# Altium PCB PCB_Kasli.PCBDOC (part 12 of 16)
Units mm, origin at the board's own origin, x right, y up, seen from the top; angles counter-clockwise.
Board outline 200.3 x 100 mm, 6 copper layers (TopLayer, MidLayer1, MidLayer2, SignalLayer1, Internal Plane 1, BottomLayer), stack 1.528 mm thick; 775 components, 636 nets, 3136 pads, 1724 vias.
Unrouted connection lines stored in the file: 7.
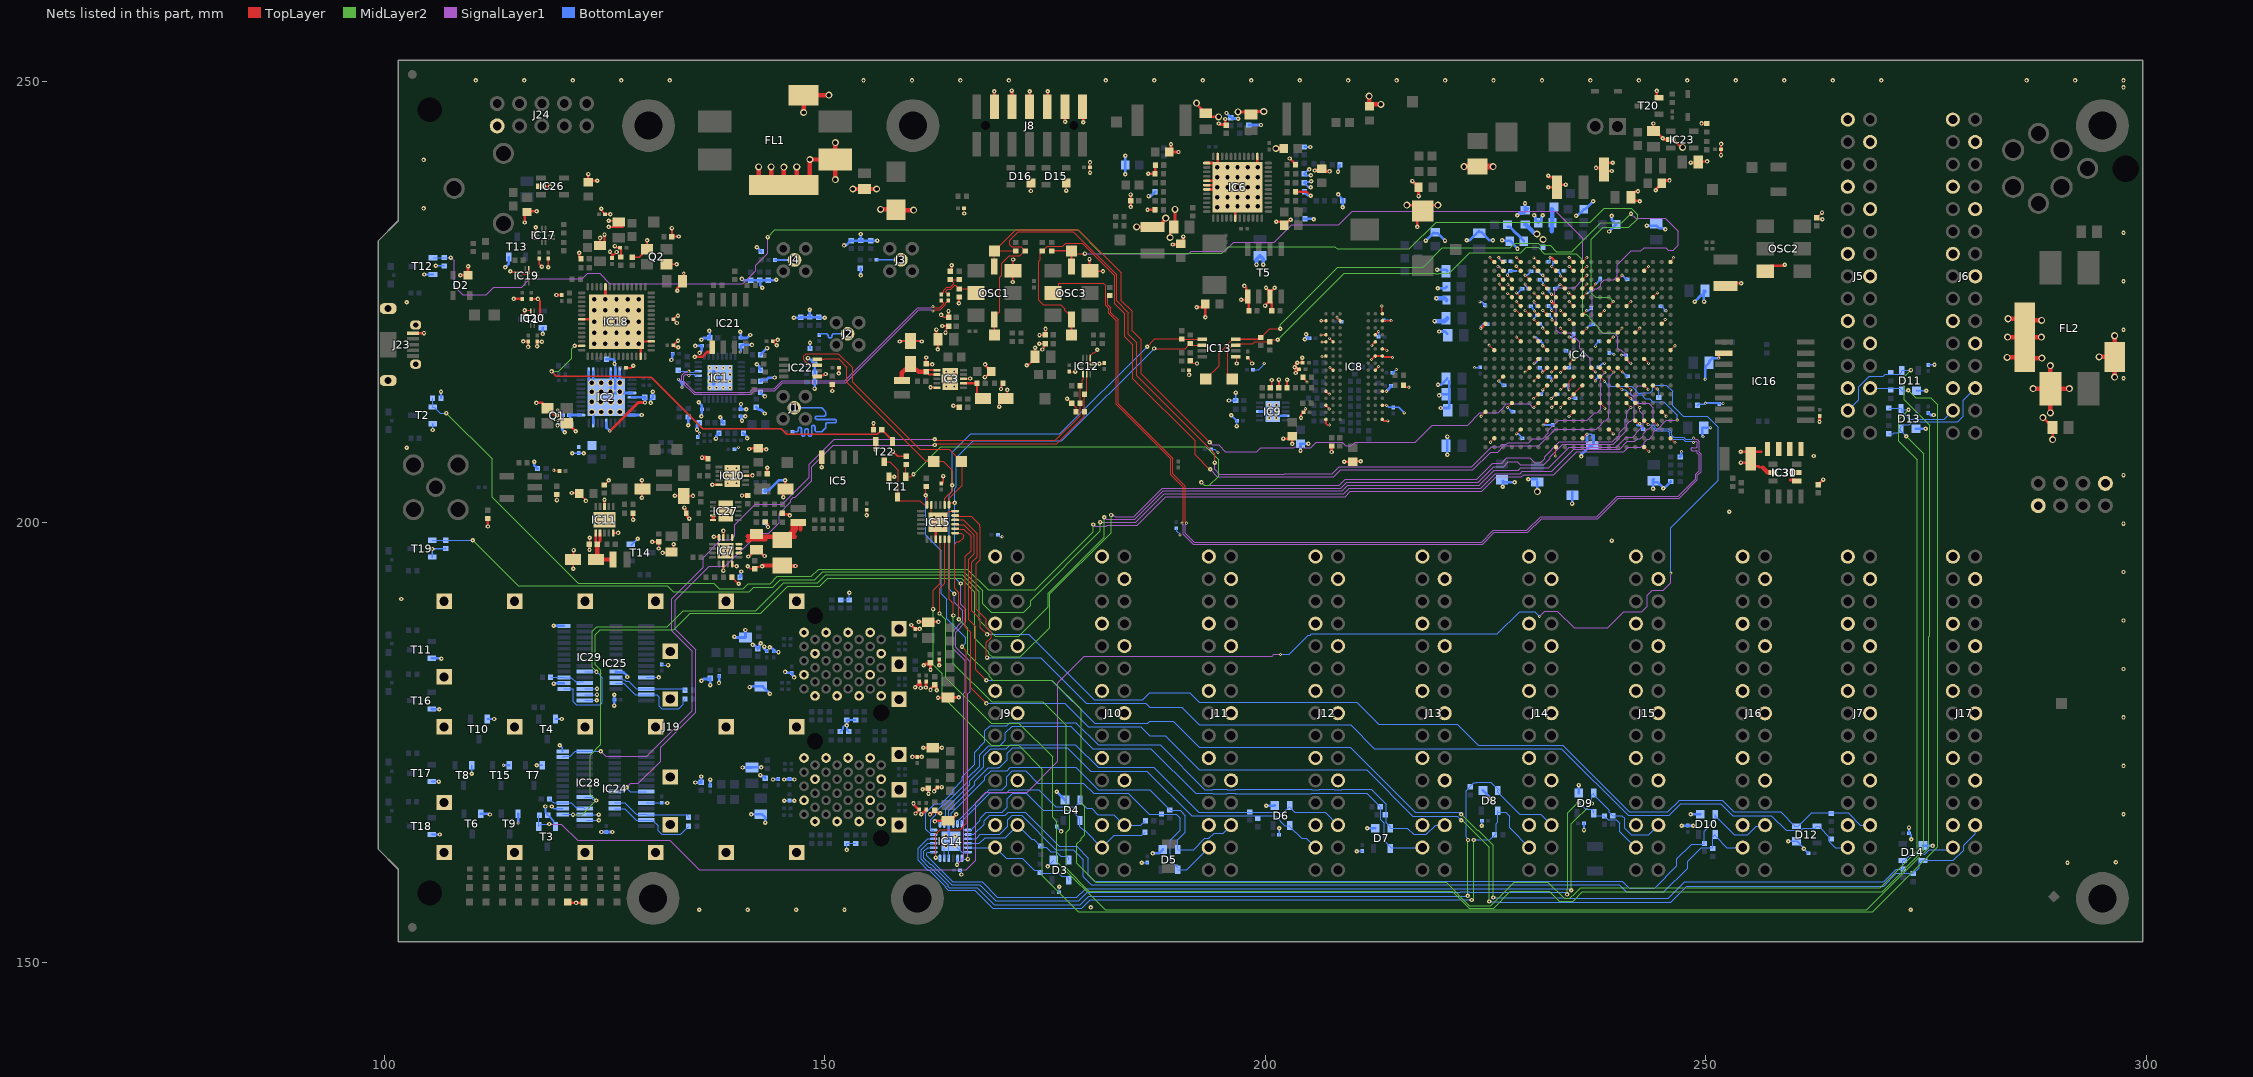
[diagram p16: the nets of this part, all layers, seen from the top]

## Via types
v1: diameter 0.5, hole 0.2, TopLayer to BottomLayer, tented both sides, 845 vias
v2: diameter 0.35, hole 0.15, TopLayer to BottomLayer, tented both sides, 612 vias
v3: diameter 0.8, hole 0.5, TopLayer to BottomLayer, tented both sides, 144 vias
v4: diameter 0.8, hole 0.5, TopLayer to BottomLayer, 66 vias
v5: diameter 0.5, hole 0.2, TopLayer to BottomLayer, 57 vias

## Nets (pads, with @x,y where several pads share a name; then routed paths per layer and width w, separated by ;. In a path a pad name is that pad's centre, name@x,y a point inside that pad or via, vN(x,y) a via of type N, cw(c..) or ccw(c..) an arc to the next point about the centre after c; other vN are vias at no path point) (continued)
GND: (continued)
  BottomLayer w0.35: v1(228.586,234.836) 228.627,234.836 228.79,235 229.2,235 C57.1@229.8,235.6 ; v1(229.475,236.175) 229.475,235.4 C57.1@229.5,235.375
  BottomLayer w0.4: v1(199,229.225) 199,229.83 C131.1@199.4,230.23 ; C131.1@199.39,230.24 C131.1@199.4,230.23 ; v1(199.775,229.225) 199.775,229.855 C131.1@199.4,230.23
  BottomLayer w0.5: v1(219.209,222.814) 220.303,222.814 220.317,222.8 C82.1@220.665,223.148 ; v1(219.419,225.4) 220.369,225.4 C240.1@220.569,225.2
  other v1: 135.747,156 141.247,156 146.747,156 152.247,156 273.247,156 180.2,156.275 291.041,161.346 296.541,161.4 297.4,166.833 297.4,172.333 297.4,177.833 162,183.25 297.4,183.333 163,183.75 297.4,188.833 101.95,191.275 297.4,194.333 239.319,197.9 143.559,199.445 297.4,199.833 252.644,201.175 141.8,205.3 297.4,205.333 262.25,207.5 141.425,208.3 102.55,208.451 119.633,212.117 297.4,216.333 297.4,221.833 102.55,224.951 297.4,227.333 154.1,228 297.4,232.833 245.406,233.236 104.475,235.603 237.2,236.4 184.125,239.475 104.475,241.103 184.125,241.575 194.71,245.237 249.5,245.25 297.4,249.333 110.4,250.125 115.9,250.125 121.4,250.125 126.9,250.125 132.4,250.125 154.4,250.125 159.9,250.125 165.4,250.125 170.9,250.125 181.9,250.125 187.4,250.125 192.9,250.125 198.4,250.125 203.9,250.125 209.4,250.125 214.9,250.125 220.4,250.125 225.9,250.125 231.4,250.125 236.9,250.125 242.4,250.125 247.9,250.125 253.4,250.125 258.9,250.125 264.4,250.125 269.9,250.125 286.4,250.125 291.9,250.125 297.4,250.125
  other v2: 119.708,211.525 233.506,216.976 214.879,217.31 238.491,218.015 251.475,218.6 234.519,218.95 234.441,226.015 226.591,227.015 226.391,229.015
  other v4: 123.571,212.498 124.629,212.498 125.688,212.498 126.746,212.498 123.571,213.641 124.587,213.641 125.73,213.641 126.746,213.641 123.571,214.784 124.629,214.784 125.688,214.784 126.746,214.784 123.571,215.8 124.629,215.8 125.688,215.8 126.746,215.8 123.825,220.218 125.095,220.218 126.365,220.218 127.635,220.218 128.905,220.218 123.825,221.488 125.095,221.488 126.365,221.488 127.635,221.488 128.905,221.488 123.825,222.758 125.095,222.758 126.365,222.758 127.635,222.758 128.905,222.758 123.825,224.028 125.095,224.028 126.365,224.028 127.635,224.028 128.905,224.028 123.825,225.298 125.095,225.298 126.365,225.298 127.635,225.298 128.905,225.298 194.564,235.712 195.707,235.839 196.85,235.839 197.993,235.839 199.136,235.839 194.564,236.855 195.707,236.855 196.85,236.855 197.993,236.855 199.136,236.855 194.564,237.998 195.707,237.998 197.993,237.998 199.136,237.998 194.564,239.141 195.707,239.141 196.85,239.141 197.993,239.141 199.136,239.141 194.564,240.284 195.707,240.284 196.85,240.284 197.993,240.284 199.136,240.284
  other v5: 163.75,163.25 164.8,163.275 163.75,164.4 164.8,164.4 138.2,196.2 139.3,196.2 138.75,196.75 138.2,197.3 139.3,197.3 162.4,199.475 163.375,199.5 124.15,199.8 124.95,199.8 125.85,199.8 162.4,200.575 163.375,200.575 124.15,200.7 124.95,200.7 125.85,200.7 138.25,200.75 139.25,200.75 138.25,201.75 139.25,201.75 139,204.4 140,204.4 139,205.2 140,205.2 139,206.1 140,206.1 200.444,211.8 201.244,211.8 201.244,212.55 200.444,213.3 201.269,213.3 136.957,215.235 137.719,215.235 138.481,215.235 139.243,215.235 163.8,215.4 164.7,215.4 136.957,215.997 138.481,215.997 139.243,215.997 163.8,216.3 164.7,216.3 136.957,216.759 138.481,216.759 139.243,216.759 163.8,217.1 164.7,217.1 136.957,217.521 137.719,217.521 138.481,217.521 139.243,217.521
GPIO_INT0: IC4.U18 IC25.20 IC29.1 | length 158.1
  TopLayer w0.125: IC4.U18@241.991,213.515 v2(242.491,213.015)
  MidLayer2 w0.1: v1(124.1,183) 123.6,183.5 123.6,187.625 124.1,188.125 132.125,188.125 133.963,189.963 133.995,189.93 142.18,189.93 145.35,193.1 149.2,193.1 150.125,194.025 165.6,194.025 167.525,192.1 167.525,188.874 169.371,187.028 172.001,187.028 175.374,190.401 175.374,191.927 181.725,198.278 v1(181.725,200.55)
  SignalLayer1 w0.1: v1(181.725,200.55) 181.975,200.3 185.181,200.3 188.421,203.54 208.725,203.54 209.362,204.177 224.297,204.177 225.995,205.875 228.7,205.875 228.99,206.165 232.159,206.165 234.494,208.5 239.81,208.5 240.954,209.644 241.323,209.644
  SignalLayer1 w0.125: 241.323,209.644 241.71,209.644 242.11,210.044 242.11,210.151 242.885,210.926 242.885,212.17 242.491,212.563 v2(242.491,213.015)
  BottomLayer w0.1: IC25.20@122.75,183.025 122.775,183 v1(124.1,183)
  BottomLayer w0.125: IC29.1@120.4,181.075 121.377,181.075 121.45,181.002 121.45,179.6 121.775,179.275 124.5,179.275 124.75,179.525 124.75,182.35 v1(124.1,183)
GPIO_INT1: IC4.R17 IC24.20 IC28.1 | length 172.9
  TopLayer w0.125: IC4.R17@240.991,215.515 v2(241.491,215.015)
  MidLayer2 w0.1: v1(124.081,168.408) 123.375,169.114 123.375,173.55 124.6,174.775 124.6,182.794 124.575,182.819 124.575,183.161 123.95,183.786 123.95,187.227 124.498,187.775 132.85,187.775 134.725,189.65 142.725,189.65 145.775,192.7 149.45,192.7 150.35,193.6 165.5,193.6 167.05,192.05 167.05,186.809 168.611,185.248 168.611,185.075 168.986,184.7 172.213,184.7 175.55,188.037 175.55,191.854 182.5,198.804 v1(182.5,200.8)
  MidLayer2 w0.125: v1(121.425,166.8) 122.473,166.8 v1(124.081,168.408)
  SignalLayer1 w0.1: v1(182.5,200.8) 182.577,200.723 182.852,200.723 182.95,200.625 185.046,200.625 188.286,203.865 208.555,203.865 209.217,204.527 224.152,204.527 225.9,206.275 227.05,206.275 227.597,206.822 228.603,206.822 228.925,206.5 231.575,206.5 232.335,207.26 232.335,207.42 233.74,208.825 239.467,208.825 241.048,210.406 241.048,211.101 241.368,211.422 241.421,211.422
  SignalLayer1 w0.125: 241.421,211.422 241.491,211.422 241.879,211.81 241.879,214.175 241.491,214.563 v2(241.491,215.015)
  BottomLayer w0.1: IC24.20@122.75,168.775 123.45,168.775 123.74,168.485 124.005,168.485 v1(124.081,168.408)
  BottomLayer w0.125: IC28.1@120.275,166.825 121.4,166.825 v1(121.425,166.8)
GPIO_RESET0: IC25.18 IC29.3 R132.2 | length 3.9
  BottomLayer w0.125: R132.2@118.895,182.375 IC29.3@120.4,182.375 120.439,182.336 121.239,182.336 121.717,181.858 IC25.18@122.617,181.858
GPIO_RESET1: IC24.18 IC28.3 R131.2 | length 4.4
  BottomLayer w0.1: R131.2@118.77,168.575 118.77,168.555 119.01,168.315 119.03,168.315 119.22,168.125 IC28.3@120.275,168.125 121.225,168.125 121.734,167.616 122.609,167.616 IC24.18@122.75,167.475
GPIO_SCL0: IC25.12 IC29.22 R229.2 | length 8
  BottomLayer w0.125: IC29.22@126.8,182.375 126.962,182.213 126.962,182.175 127.036,182.101 127.265,182.101 127.406,181.96 127.74,181.96 128.625,181.075 IC25.12@129.75,181.075 134.005,181.075 R229.2@134.155,180.925
GPIO_SCL1: IC24.12 IC28.22 R228.2 | length 9.1
  BottomLayer w0.125: IC28.22@126.175,168.125 127.325,168.125 128.625,166.825 IC24.12@129.75,166.825 129.812,166.763 134.318,166.763 134.56,166.52 R228.2@134.56,166.5
GPIO_SDA0: IC25.13 IC29.23 R233.2 | length 10.3
  BottomLayer w0.125: IC29.23@126.3,181.725 127.2,181.725 128.5,180.425 IC25.13@129.75,180.425 129.774,180.401 130.956,180.401 131.236,180.121 131.236,179.118 131.517,178.837 133.443,178.837 133.927,179.322 133.927,179.698 R233.2@134.155,179.925 R233.2@134.155,179.945
GPIO_SDA1: IC24.13 IC28.23 R232.2 | length 10.3
  BottomLayer w0.125: IC28.23@126.175,167.475 127.325,167.475 128.625,166.175 IC24.13@129.75,166.175 130.45,166.175 130.724,165.901 130.738,165.901 131.127,165.512 131.127,164.977 131.517,164.587 133.668,164.587 134.56,165.479 R232.2@134.56,165.499
Helper_DCXO_N: IC4.W20 OSC3.5 | length 112.8
  TopLayer w0.095: OSC3.5@175.9,225.975 176.533,226.608 176.533,227.079 176.588,227.135 176.964,227.135 177.056,227.135 181.615,227.135 181.875,226.875 181.875,224.6 182.25,224.225 182.25,223.689 183.075,222.864 183.075,213.364 189.257,207.182 189.257,205.393 190.69,203.96 190.69,200.058 190.55,199.918 v2(190.55,199.875) ; IC4.W20@243.991,211.515 v2(244.491,211.015)
  SignalLayer1 w0.1: v2(190.55,199.875) 190.55,199.831 190.69,199.691 190.69,198.649 191.834,197.505 224.655,197.505 225.98,198.83 229.78,198.83 231.355,200.405 237.705,200.405 240.03,202.73 246.971,202.73 249.05,204.809 249.05,205.314 249.475,205.739 249.475,207.72 249.27,207.925 249.27,209.133 249.011,209.392 248.784,209.392 248.644,209.532 v2(248.6,209.532)
  BottomLayer w0.095: v2(244.491,211.015) 244.461,211.045 244.136,211.045 244.081,210.989 244.081,210.911 244.384,210.607 245.737,210.607 246.119,210.225 246.119,209.861 246.355,209.625 247.5,209.625 247.733,209.392 248.417,209.392 248.557,209.532 v2(248.6,209.532)
Helper_DCXO_OE: IC12.9 IC24.8 IC28.20 R245.1 R247.2 | length 91.7
  TopLayer w0.125: v1(162.475,208.749) 162.599,208.874 176.341,208.874 179.47,212.002 R247.2@179.47,212.5 R245.1@179.47,214.5 179.47,214.52 179.725,214.775 IC12.9@179.725,216.8
  SignalLayer1 w0.125: v1(127.525,169.9) 127.975,170.35 128.85,170.35 131.384,172.884 131.384,174.441 135.376,178.434 135.376,185.524 133.05,187.85 133.05,191.125 136.887,194.963 138.717,194.963 142.504,198.75 143.65,198.75 144.825,199.925 144.825,200.975 146.138,202.287 146.138,202.542 146.408,202.813 146.663,202.813 148.525,204.675 148.525,206.3 150.974,208.749 v1(162.475,208.749)
  BottomLayer w0.125: IC28.20@126.175,169.425 127.05,169.425 v1(127.525,169.9) 127.525,169.8 127.9,169.425 IC24.8@129.75,169.425
Helper_DCXO_P: IC4.W19 R225.2 | length 105.3
  TopLayer w0.095: R225.2@182.35,225.705 182.338,225.705 182.095,225.463 182.095,224.691 182.47,224.316 182.47,223.78 183.295,222.955 183.295,213.455 189.477,207.273 189.477,205.484 190.91,204.051 190.91,200.058 191.05,199.918 v2(191.05,199.875) ; IC4.W19@242.991,211.515 243.001,211.515 243.441,211.075 v2(243.45,211.075)
  SignalLayer1 w0.1: v2(191.05,199.875) 191.05,199.831 190.91,199.691 190.91,198.74 191.925,197.725 224.564,197.725 225.889,199.05 229.689,199.05 231.264,200.625 237.614,200.625 239.939,202.95 246.88,202.95 248.83,204.9 248.83,205.405 249.255,205.83 249.255,207.629 249.05,207.834 249.05,207.925 ccw(c248.873,207.925) 248.873,208.102 248.485,208.102 cw(c248.485,208.279) 248.308,208.279 cw(c248.485,208.279) 248.485,208.456 248.873,208.456 ccw(c248.873,208.633) 249.05,208.633 249.05,208.81 249.05,209.042 248.92,209.172 248.784,209.172 248.644,209.032 v2(248.6,209.032)
  BottomLayer w0.095: v2(243.45,211.075) 243.775,211.075 243.861,210.989 243.861,210.82 244.293,210.387 245.646,210.387 245.899,210.134 245.899,209.77 246.264,209.405 247.409,209.405 247.641,209.172 248.417,209.172 248.557,209.032 v2(248.6,209.032)
Helper_DCXO_SCL: IC4.N13 OSC3.8 R50.1 TP24.1 | length 86.6
  TopLayer w0.1: TP24.1@178,230.75 178.275,230.475 v1(179.525,230.475)
  TopLayer w0.125: IC4.N13@236.991,217.515 237.456,217.05 v2(237.494,217.05)
  TopLayer w0.2: R50.1@175.75,230.78 175.775,230.805 177.945,230.805 TP24.1@178,230.75 OSC3.8@178,228.827
  SignalLayer1 w0.1: v1(179.525,230.475) 191.324,230.475 191.599,230.75 195.39,230.75 196.415,231.775 201,231.775 202.975,233.75 208.358,233.75 209.894,235.286 232.978,235.286 236.048,232.217 236.048,228.791 236.051,228.788 236.051,228.107 236.048,228.104 236.048,227.553 235.105,226.611 233.18,226.611 232.871,226.302 232.871,224.34 233.038,224.173 233.038,221.787 233.35,221.475 234.607,221.475 235.676,220.406 235.676,219.756 236.901,218.531 236.901,217.506 v2@237.426,216.981
Helper_DCXO_SDA: IC4.N15 OSC3.7 R41.1 TP23.1 | length 103.6
  TopLayer w0.1: OSC3.7@178,223.122 178,223.245 177.216,224.029 177.216,224.24 176.781,224.675 174.775,224.675 174.275,225.175 174.275,229.625 174.44,229.79 174.44,230.54 174.68,230.78 174.72,230.78 175.256,231.316 175.357,231.316 175.382,231.291 177.015,231.291 177.374,231.65 179.25,231.65 182.925,227.975 182.925,224.775 184.075,223.625 184.075,221.025 184.963,220.137 184.963,216.287 192.025,209.225 192.025,207.616 193.641,206 v1(193.75,206)
  TopLayer w0.125: IC4.N15@238.991,217.515 239.48,217.027 v2(239.551,217.027)
  TopLayer w0.2: TP23.1@178,221.25 OSC3.7@178,223.122
  SignalLayer1 w0.1: v1(193.75,206) 193.75,205.97 194.555,205.165 207.755,205.165 208.54,205.95 223.563,205.95 225.563,207.95 226.375,207.95 227.076,208.651 231.051,208.651 232.916,210.516 237.567,210.516 238.116,211.066 238.116,211.17 238.465,211.519 238.638,211.519 238.987,211.867 238.987,212.586 239.048,212.647 239.048,216.523 v2@239.482,216.958
I2C_3V3_SW_SCL: IC13.6 IC14.19 IC15.19 IC22.3 R149.1 TP19.1 | length 113.4
  TopLayer w0.125: IC22.3@149.15,217.825 149.013,217.962 148.089,217.962 147.627,218.425 147.627,218.852 147.889,219.114 151.55,219.114 153.175,217.489 153.175,215.85 160.763,208.263 164.131,208.263 TP19.1@165.518,206.875 ; IC15.19@164.106,201.951 IC15.19@164.106,202.094 ; v1(164.75,202.175) 164.187,202.175 IC15.19@164.106,202.094 ; TP19.1@165.6,206.35 165.6,204.194 164.106,202.7 IC15.19@164.106,202.094 ; v1(187.375,219.7) 190.9,219.7 191.48,220.28 R149.1@191.5,220.28 191.705,220.075 IC13.6@192.85,220.075
  SignalLayer1 w0.125: v1(165.425,193.029) 165.425,190.7 166.025,190.1 166.025,188.7 164.85,187.525 164.85,185.8 166.5,184.15 166.5,180.75 166.25,180.5 v1(166.25,161.75)
  BottomLayer w0.125: v1(165.425,193.029) 164.75,193.704 v1(164.75,202.175) 164.75,203.796 164.938,203.983 164.938,207.288 166.875,209.225 176.9,209.225 v1(187.375,219.7) ; IC14.19@165.575,161.85 165.575,161.831 165.656,161.75 v1(166.25,161.75)
I2C_3V3_SW_SDA: IC13.5 IC14.20 IC15.20 IC22.4 R148.1 TP18.1 | length 109.4
  TopLayer w0.125: IC22.4@149.15,218.475 149.875,218.475 149.938,218.538 151.587,218.538 152.525,217.6 152.525,215.85 161.475,206.9 163.45,206.9 164.45,205.9 164.45,203.55 163.606,202.706 IC15.20@163.606,201.951 ; v1(186.6,219.9) 187.48,220.78 R148.1@190.5,220.78 190.501,220.779 192.795,220.779 192.795,220.78 IC13.5@192.85,220.725
  SignalLayer1 w0.125: v1(164.7,191.85) 164.7,190.918 165.688,189.931 165.688,188.783 164.525,187.621 164.525,185.665 165.95,184.24 165.95,180.75 165.787,180.588 165.787,161.887 v1(165.008,161.108)
  BottomLayer w0.125: v1(164.7,191.85) 164.15,192.4 164.15,203.175 164.475,203.5 v1(164.475,204.175) 164.475,207.921 166.554,210 176.7,210 v1(186.6,219.9) ; v1(165.008,161.108) 165.042,161.141 165.042,161.817 IC14.20@165.075,161.85
I2C_SCL_0: D3.3 IC14.17 J9.27 R156.1 | length 13.1
  BottomLayer w0.125: IC14.17@166.275,163.05 166.284,163.059 169.337,163.059 J9.27@169.346,163.068 170.589,161.825 172.425,161.825 173.773,160.477 174.253,160.477 R156.1@174.48,160.25 174.599,160.131 176.544,160.131 176.888,159.787 177.463,159.787 177.7,159.55 D3.3@177.7,159.35
I2C_SCL_1: D4.3 IC14.13 J10.27 R158.1 | length 26.3
  BottomLayer w0.125: IC14.13@166.275,165.05 166.575,165.05 167.675,166.15 167.675,166.4 168.35,167.075 170.15,167.075 170.7,167.625 170.7,168.6 171.325,169.225 172.875,169.225 174.8,167.3 178.019,167.3 178.969,166.35 D4.3@178.969,166.15 178.969,165.425 179.394,165 179.533,165 J10.27@181.465,163.068 182.872,164.475 185.999,164.475 R158.1@186.349,164.825
I2C_SCL_2: D5.3 IC14.11 J11.27 R160.1 | length 42.2
  BottomLayer w0.125: IC14.11@165.075,165.75 165.075,166.05 168.65,169.625 170.15,169.625 170.65,170.125 170.65,171.125 171.3,171.775 172.8,171.775 174.19,170.385 179.36,170.385 180.534,169.211 184.445,169.211 186.806,166.85 189.869,166.85 190.332,166.387 190.332,165.012 189.219,163.9 189.219,161.6 D5.3@190.069,160.75 ; D5.3@190.069,160.55 191.066,160.55 J11.27@193.584,163.068 J11.27@193.151,163.068
I2C_SCL_3: D6.3 IC14.8 J12.27 R162.1 | length 51.7
  BottomLayer w0.125: IC14.8@163.575,165.75 163.575,166.05 164.05,166.525 164.05,167.25 167.013,170.213 167.013,170.563 168.575,172.125 169.675,172.125 169.7,172.15 169.85,172.15 170.725,173.025 170.725,173.775 171.325,174.375 177.544,174.375 180.169,171.751 186.559,171.751 191.639,166.671 197.924,166.671 197.944,166.65 201.119,166.65 202.219,165.55 D6.3@202.769,165.55 202.769,165.45 204.119,164.1 204.672,164.1 J12.27@205.704,163.068
I2C_SCL_4: D7.3 IC14.6 J13.27 R164.1 | length 71.1
  BottomLayer w0.125: IC14.6@162.375,165.05 162.126,165.05 162.045,165.131 162.045,166.225 162.625,166.804 162.625,167.129 163.421,167.925 163.625,167.925 166.236,170.536 166.236,170.961 167.575,172.3 167.575,173.575 168.625,174.625 169.875,174.625 170.5,175.25 170.5,176.075 171.275,176.85 177.894,176.85 180.444,174.3 187.019,174.3 192.107,169.213 ; 192.105,169.211 194.024,169.211 194.072,169.162 195.636,169.162 195.684,169.211 196.564,169.211 196.612,169.162 205.216,169.162 205.264,169.211 211.529,169.211 R164.1@213.039,167.7 213.116,167.624 213.116,166.204 213.519,165.8 213.519,163.836 214.287,163.068 J13.27@217.823,163.068
I2C_SCL_5: D8.3 IC14.4 J14.27 R166.1 | length 87.8
  MidLayer2 w0.125: v1(223.435,157.115) 223.65,157.331 v1(223.65,163.925)
  BottomLayer w0.125: IC14.4@162.375,164.05 161.675,164.05 160.6,162.975 160.6,161.596 161.688,160.509 161.839,160.509 163.72,158.627 163.72,158.476 163.996,158.2 167.025,158.2 169.075,156.15 179.153,156.15 180.128,157.125 222.125,157.125 222.138,157.113 223.432,157.113 v1(223.435,157.115) ; 223.469,164.106 v1(223.65,163.925) 225.455,163.925 225.782,164.253 225.802,164.253 226.187,164.638 226.187,165.768 226.394,165.975 D8.3@226.394,167.05 ; D8.3@226.394,167.25 D8.3@226.394,167.05 ; J14.27@229.943,163.068 227.719,165.291 227.719,166.6 227.269,167.05 D8.3@226.394,167.05
I2C_SCL_6: D9.3 IC14.2 J15.27 R168.1 | length 97.6
  MidLayer2 w0.125: v1(234.25,157.75) 234.247,157.753 234.247,158.401 234.325,158.479 234.325,166.994 v1(235.54,168.21)
  BottomLayer w0.125: IC14.2@162.375,163.05 161.675,163.05 161.25,162.625 161.25,161.865 161.957,161.159 162.108,161.159 164.416,158.85 167.577,158.85 169.427,157 178.801,157 179.776,157.975 222.125,157.975 222.188,158.038 223.167,158.038 223.229,157.975 234.025,157.975 v1(234.25,157.75) ; v1@235.607,168.277 v1(235.54,168.21) 236.363,167.387 237.032,167.387 237.269,167.15 D9.3@237.269,166.95 ; 237.574,166.645 R168.1@238.494,166.645 ; R168.1@238.49,166.64 238.93,166.2 239.85,166.2 240.25,165.8 240.25,164.88 J15.27@242.062,163.068
I2C_SCL_7: D10.3 IC14.15 J16.27 R170.1 | length 98.8
  BottomLayer w0.125: IC14.15@166.275,164.05 167.175,164.05 167.675,164.55 169.85,164.55 170.775,165.475 170.775,166.2 171.3,166.725 172.35,166.725 176.238,162.837 178.213,162.837 179.35,161.7 179.35,159.725 180.25,158.825 240.175,158.825 240.975,158.025 245.219,158.025 247.919,160.725 247.919,161.525 249.462,163.068 250.769,163.068 250.769,164.25 D10.3@251.069,164.55 251.069,164.381 252.382,163.068 J16.27@254.181,163.068
I2C_SCL_8: D11.3 IC15.11 J5.27 R172.1 | length 214.1
  TopLayer w0.125: v1(163.025,189.625) 163.025,192.469 163.606,193.05 IC15.11@163.606,198.051
  MidLayer2 w0.125: v1(163.025,189.625) 163.75,188.9 163.75,182.33 168.885,177.196 172.031,177.196 175.857,173.37 175.857,166.517 176.357,166.017 176.357,161.458 181.816,155.999 268.233,155.999 275.287,163.053 275.287,186.972 275.4,187.085 275.4,211.004 272.507,213.897 272.507,216.487 v1(273.269,217.25)
  BottomLayer w0.125: J5.27@266.105,212.66 267.35,213.905 267.35,215.35 268.525,216.525 270.135,216.525 270.372,216.763 271,216.763 271.982,216.763 272.219,217 D11.3@272.219,217.2 272.269,217.25 v1(273.269,217.25)
I2C_SCL_9: D13.3 IC15.13 J6.27 R175.1 | length 211.1
  TopLayer w0.125: IC15.13@164.806,198.751 165.499,198.751 165.75,198.5 165.75,198.25 165.25,197.75 165,197.75 164.75,197.5 164.75,192.475 165.225,192 v1(165.225,188.975)
  MidLayer2 w0.125: v1(165.225,188.975) 166.225,187.975 166.225,185.077 168.648,182.654 168.648,182.513 169.085,182.075 175.758,182.075 179.1,178.733 179.1,168.082 179.482,167.7 179.482,164.5 179.1,164.118 179.1,163.975 178.626,163.501 178.626,161.277 180.778,159.125 220.51,159.125 223.157,156.478 225.607,156.478 228.254,159.125 232.075,159.125 233.912,157.288 234.563,157.288 235.162,157.887 235.663,158.388 235.8,158.525 269.8,158.525 273.975,162.7 273.975,207.075 271.875,209.175 271.875,211.625 v1(273,212.75)
  BottomLayer w0.125: R175.1@270.75,212.97 270.819,212.901 D13.3@272.137,212.901 272.25,212.789 D13.3@272.25,212.75 ; v1(273,212.75) D13.3@272.25,212.75 ; J6.27@278.03,212.66 277.058,211.688 273.151,211.688 272.25,212.589 D13.3@272.25,212.75
I2C_SCL_10: D12.3 IC15.17 J7.27 R178.1 | length 127.9
  TopLayer w0.125: IC15.17@164.806,200.751 164.869,200.689 166.616,200.689 167.613,199.692 167.613,199.484 167.661,199.436 167.661,195.714 167.2,195.254 167.2,190.125 168.333,188.992 168.333,188.049 168.888,187.494 168.888,186.902 168.333,186.347 168.333,184.717 v1(168.425,184.625)
  BottomLayer w0.125: v1(168.425,184.625) 174.5,184.625 179.675,179.45 183.715,179.45 183.725,179.46 186.44,179.46 186.9,179 190.5,179 192.5,177 209.675,177 212.375,174.3 233.595,174.3 241.17,166.725 245.825,166.725 247.16,168.06 251.685,168.06 253.045,166.7 257.4,166.7 259.1,165 260.835,165 261.078,165.243 262.363,165.243 D12.3@262.6,165.481 262.8,165.481 264.078,164.203 264.078,163.672 264.69,163.06 J7.27@266.105,163.06
I2C_SCL_11: D14.3 IC15.15 J17.27 R182.1 | length 146.9
  TopLayer w0.125: IC15.15@164.806,199.751 164.869,199.689 165.786,199.689 166.954,198.521 166.954,196.421 166.329,195.796 166.329,189.582 166.343,189.568 166.343,188.907 167.15,188.1 167.15,183.25 v1(168.35,182.05)
  MidLayer2 w0.125: v1(222.25,166.825) 222.254,166.825 224.04,165.039 224.161,165.039 225.875,163.325 v1(225.875,157.4)
  BottomLayer w0.125: v1(168.35,182.05) 175.725,182.05 180.619,177.156 186.681,177.156 186.9,177.375 189.575,177.375 192.5,174.45 209.625,174.45 217.025,167.05 222.025,167.05 v1(222.25,166.825) ; v1(225.875,157.4) 225.925,157.35 233.996,157.35 234.058,157.288 245.737,157.288 247.62,159.17 270.18,159.17 271.63,160.62 R182.1@272.406,160.62 272.344,160.681 D14.3@272.344,161.6 272.544,161.6 273.252,162.308 274.866,162.308 275.346,162.788 277.758,162.788 J17.27@278.03,163.06
I2C_SDA_0: D3.2 IC14.16 J9.26 R155.1 | length 14.1
  BottomLayer w0.125: IC14.16@166.275,163.55 167.55,163.55 168.2,164.2 170.477,164.2 J9.26@171.886,165.608 173.497,163.997 173.703,163.997 174.48,163.22 R155.1@174.5,163.22 ; R155.1@174.387,163.107 174.419,163.075 175.15,163.075 175.644,162.581 176.283,162.581 176.777,162.087 177.463,162.087 177.7,161.85 D3.2@177.7,161.65
I2C_SDA_1: D4.2 IC14.12 J10.26 R157.1 | length 25.4
  BottomLayer w0.125: IC14.12@165.575,165.75 165.575,166.05 168.8,169.275 170.65,169.275 170.975,169.6 174.275,169.6 176.2,167.675 178.394,167.675 178.919,168.2 D4.2@178.919,168.3 ; D4.2@178.919,168.7 D4.2@178.919,168.3 ; R157.1@186.399,166.125 185.882,165.608 J10.26@184.005,165.608 182.813,166.8 180.994,166.8 180.294,167.5 179.719,167.5 D4.2@178.919,168.3
I2C_SDA_2: D5.2 IC14.10 J11.26 R159.1 | length 43.8
  BottomLayer w0.125: IC14.10@164.575,165.75 164.575,166.45 164.35,166.675 164.35,166.95 168.175,170.775 168.175,171.075 168.875,171.775 170.025,171.775 170.05,171.8 170.7,171.8 171.05,172.15 178.5,172.15 181.025,169.625 186.889,169.625 R159.1@189.169,167.345 189.239,167.275 190.344,167.275 190.919,166.7 190.919,164.8 190.069,163.95 D5.2@190.069,162.85 ; D5.2@190.08,162.839 191.853,162.839 193.144,164.131 193.609,164.131 194.187,164.708 195.224,164.708 J11.26@196.124,165.608
I2C_SDA_3: D6.2 IC14.7 J12.26 R161.1 | length 54.8
  BottomLayer w0.125: IC14.7@163.075,165.75 163.075,166.05 163.75,166.725 163.75,167.475 166.45,170.175 166.45,170.625 168.05,172.225 168.05,173.475 168.85,174.275 170.6,174.275 171.075,174.75 178.44,174.75 181.025,172.165 187.329,172.165 192.419,167.075 202.094,167.075 202.719,167.7 203.344,167.075 206.777,167.075 J12.26@208.244,165.608
I2C_SDA_4: D7.2 IC14.5 J13.26 R163.1 | length 75.4
  BottomLayer w0.125: IC14.5@162.375,164.55 162.075,164.55 161.475,165.15 161.475,167.025 162.475,168.025 163.2,168.025 164.5,169.325 164.5,169.55 165.625,170.675 165.625,171.125 167.025,172.525 167.025,173.9 168.175,175.05 168.175,176.3 168.775,176.9 170.675,176.9 171.025,177.25 178.469,177.25 181.014,174.705 188.064,174.705 193.144,169.625 194.024,169.625 194.074,169.675 195.635,169.675 195.684,169.625 196.564,169.625 196.614,169.675 205.214,169.675 205.264,169.625 206.144,169.625 206.193,169.675 207.754,169.675 207.804,169.625 208.684,169.625 208.733,169.675 212.044,169.675 213.719,168 R163.1@213.719,166.695 ; R163.1@213.614,166.8 R163.1@213.719,166.695 ; J13.26@220.363,165.608 219.326,165.608 218.263,164.545 216.819,164.545 216.115,165.25 D7.2@214.169,165.25 214.169,165.45 213.733,165.886 213.733,166.681 R163.1@213.719,166.695
I2C_SDA_5: D8.2 IC14.3 J14.26 R165.1 | length 92
  MidLayer2 w0.125: v1(222.975,157.575) 223,157.6 v1(223,163.925)
  BottomLayer w0.125: IC14.3@162.375,163.55 161.675,163.55 160.925,162.8 160.925,161.731 161.822,160.834 161.973,160.834 164.045,158.761 164.045,158.61 164.131,158.525 167.301,158.525 169.251,156.575 178.977,156.575 179.952,157.55 222.95,157.55 v1(222.975,157.575) ; v1(223,163.925) 223,164.026 222.789,164.238 222.789,169.539 223.663,170.413 223.933,170.413 224.019,170.5 225.589,170.5 D8.2@226.539,169.55 ; D8.2@226.394,169.55 226.394,169.325 228.891,166.829 231.262,166.829 J14.26@232.483,165.608
I2C_SDA_6: D9.2 IC14.1 J15.26 R167.1 | length 99.5
  MidLayer2 w0.125: v1(234.71,158.21) 234.75,158.25 234.75,165.75 v1(237.063,168.063)
  BottomLayer w0.125: IC14.1@162.375,162.55 161.675,162.55 161.575,162.45 161.575,162.151 164.551,159.175 167.853,159.175 169.603,157.425 178.625,157.425 179.6,158.4 234.418,158.4 234.608,158.21 v1(234.71,158.21) ; v1(237.063,168.063) 237.063,169.043 D9.2@237.269,169.25 237.269,169.05 239.019,167.3 239.019,167.07 239.419,166.671 240.475,166.671 240.775,166.371 240.775,165.275 241.55,164.5 243.494,164.5 J15.26@244.602,165.608
I2C_SDA_7: D10.2 IC14.14 J16.26 R169.1 | length 102.9
  BottomLayer w0.125: IC14.14@166.275,164.55 166.925,164.55 168.1,165.725 168.1,166.125 168.725,166.75 170.5,166.75 170.825,167.075 172.75,167.075 176.631,163.194 178.581,163.194 179.9,161.875 179.9,159.925 180.575,159.25 240.523,159.25 241.323,158.45 244.194,158.45 246.719,160.975 246.719,161.775 248.394,163.45 R169.1@249.844,163.45 ; R169.1@249.844,163.538 249.844,164.925 251.069,166.15 D10.2@251.069,166.65 ; D10.2@251.069,166.85 D10.2@251.069,166.65 ; J16.26@256.721,165.608 256.596,165.483 255.733,165.483 254.75,164.5 253.219,164.5 D10.2@251.069,166.65
I2C_SDA_8: D11.2 IC15.10 J5.26 R171.1 | length 210.5
  TopLayer w0.125: v1(162.3,190.125) 162.3,192.244 163.106,193.05 IC15.10@163.106,198.051
  MidLayer2 w0.125: v1(162.3,190.125) 162.3,183.795 163.313,182.783 163.313,180.228 168.885,174.656 172.031,174.656 174.712,171.974 174.712,159.883 178.798,155.798 268.952,155.798 276.313,163.158 276.313,213.341 275.544,214.11 273.81,214.11 v1(272.969,214.95)
  BottomLayer w0.125: J5.26@268.645,215.2 270.5,215.2 270.75,215.2 271,215.2 271.982,215.2 272.219,214.963 D11.2@272.219,214.9 272.919,214.9 v1(272.969,214.95)
I2C_SDA_9: D13.2 IC15.12 J6.26 R173.1 | length 212
  TopLayer w0.125: IC15.12@164.106,198.051 164.106,191.244 164.6,190.75 v1(164.6,189.4)
  MidLayer2 w0.125: v1(164.6,189.4) 164.6,183.95 168.95,179.6 174.733,179.6 177.4,176.933 177.4,167.378 177.782,166.996 177.782,165.204 177.4,164.822 177.4,160.699 179.974,158.125 221.225,158.125 223.15,156.2 225.9,156.2 227.825,158.125 232.225,158.125 233.375,156.975 234.925,156.975 235.998,158.048 269.998,158.048 274.75,162.8 274.75,207.75 v1(272.75,209.75)
  BottomLayer w0.125: R173.1@270.75,210.03 271.247,210.03 271.381,210.164 271.9,210.164 D13.2@272.118,210.382 ; v1(272.75,209.75) D13.2@272.118,210.382 ; J6.26@280.57,215.2 279.225,213.855 279.225,212.025 278.575,211.375 273.397,211.375 273.061,211.039 272.375,211.039 272.137,210.801 D13.2@272.137,210.601 ; D13.2@272.118,210.382 272.137,210.401 D13.2@272.137,210.601 ; D13.2@272.118,210.382 271.899,210.601 D13.2@272.137,210.601
I2C_SDA_10: D12.2 IC15.16 J7.26 R176.1 | length 127.8
  TopLayer w0.125: IC15.16@164.806,200.251 165.745,200.251 167.307,198.689 167.307,196.068 166.682,195.443 166.682,189.936 167.65,188.968 167.65,188.025 v1(168.425,187.25)
  BottomLayer w0.125: v1(168.425,187.25) 173.15,187.25 180.575,179.825 183.559,179.825 183.57,179.835 186.11,179.835 186.9,180.625 191.425,180.625 192.5,179.55 210.375,179.55 212.875,177.05 221.775,177.05 224.15,174.675 233.75,174.675 241.325,167.1 245.67,167.1 246.895,168.325 247.005,168.435 251.84,168.435 251.95,168.325 253.175,167.1 258.481,167.1 260.1,165.481 D12.2@260.3,165.481 260.5,165.481 262.019,167 266.137,167 267.537,165.6 J7.26@268.645,165.6
I2C_SDA_11: D14.2 IC15.14 J17.26 R180.1 | length 152.4
  TopLayer w0.125: IC15.14@164.806,199.251 164.869,199.188 165.787,199.188 166.6,198.375 166.6,196.775 165.975,196.15 165.975,188.075 166.575,187.475 166.575,181.2 v1(168.35,179.425)
  MidLayer2 w0.125: v1(222.25,166.175) 222.325,166.175 225.415,163.085 225.415,157.594 225.413,157.592 225.413,156.943 v1(225.415,156.94)
  BottomLayer w0.125: v1(168.35,179.425) 177.25,179.425 179.894,176.781 185.87,176.781 186.9,175.75 188.625,175.75 192.5,171.875 211.5,171.875 216.754,166.621 221.8,166.621 222.246,166.175 v1(222.25,166.175) ; v1(225.415,156.94) 225.418,156.937 226.593,156.937 226.675,156.855 246.005,156.855 247.825,158.675 270.175,158.675 271.625,160.125 R180.1@273.531,160.125 273.551,160.125 274.207,160.781 274.207,161.363 274.444,161.6 D14.2@274.644,161.6 278.1,161.6 279.25,162.75 279.25,163.315 280.547,164.613 280.547,165.577 J17.26@280.57,165.6
I2C_SW_RESET: IC4.U17 R33.2 T21.1 | length 98
  TopLayer w0.1: R33.2@159.25,206.53 159.2,206.48 T21.1@159.2,205.15 159.784,205.15 160.059,205.425 v1(160.075,205.425)
  TopLayer w0.125: IC4.U17@240.991,213.515 v2(241.491,213.015)
  MidLayer2 w0.1: v1(160.075,205.425) 163.175,208.525 193.25,208.525 194.7,207.075 194.7,205.23 193.66,204.19 193.06,204.19 v1(192.75,204.5)
  SignalLayer1 w0.1: v1(192.75,204.5) 193.06,204.19 208.385,204.19 209.072,204.877 224.007,204.877 225.83,206.7 226.825,206.7 227.4,207.275 230.034,207.275 230.574,206.735 231.229,206.735 231.707,207.214 231.707,207.432 233.375,209.1 239.394,209.1 240.176,209.881 240.176,210.131 240.871,210.827 240.871,211.63 241.048,211.806 241.048,212.571 v2@241.423,212.946
I2C_SW_RESET2: IC18.27 R46.2 T22.1 | length 47.8
  TopLayer w0.125: v1(121.608,220.008) IC18.27@122.415,220.008
  TopLayer w0.15: v1(119,217.1) 119.525,216.575 126.855,216.575 127.019,216.411 130.314,216.411 136.156,210.569 145.056,210.569 145.675,209.95 155.94,209.95 R46.2@156.47,210.48 ; R46.2@156.47,210.5 R46.2@156.47,210.48 ; T22.1@157.7,209.15 157.7,209.35 157.475,209.575 157.375,209.575 R46.2@156.47,210.48
  MidLayer2 w0.125: v1(119,217.1) 119.8,217.1 121.3,218.6 121.3,219.7 v1(121.608,220.008)
I2C_SW_RESET_N: IC14.24 IC15.24 R151.1 T21.3 T22.3 | length 57.7
  TopLayer w0.125: T22.3@156.75,206.85 157.375,206.85 158.363,205.863 158.363,202.863 158.25,202.75 158.25,202.65 158.487,202.413 160.807,202.413 161.269,201.951 IC15.24@161.606,201.951 161.606,202.818 161.475,202.949 v1(161.475,203.05) 161.475,204.005 R151.1@161.5,204.03 ; v1(162.6,161.925) 162.6,164.6 163.1,165.1 165.375,165.1 166.075,165.8 166.075,185.367 v1(165.583,185.859)
  BottomLayer w0.125: v1(161.475,203.05) 161.475,198.525 163.225,196.775 163.225,191.875 163.85,191.25 163.85,189.048 166.016,186.882 166.016,186.292 v1(165.583,185.859) ; v1(162.6,161.925) 163,161.925 IC14.24@163.075,161.85
I2C_SW_SCL: IC4.J16 IC13.3 R147.1 TP14.1 | length 61.9
  TopLayer w0.125: TP14.1@196.25,216.25 195.75,216.75 195.75,219.525 196.3,220.075 IC13.3@196.65,220.075 196.787,220.212 198.566,220.212 198.824,220.471 200.499,220.471 R147.1@200.5,220.47 200.727,220.698 201.423,220.698 v1(201.425,220.7) ; R147.1@200.503,220.467 R147.1@200.703,220.267 ; IC4.J16@239.991,221.515 v2(240.491,222.015)
  MidLayer2 w0.125: v1(201.425,220.7) 208.975,228.25 219.24,228.25 219.303,228.187 219.686,228.187 219.748,228.25 220.894,228.25 223.194,230.55 228.969,230.55 229.594,231.175 230.95,231.175 231.663,230.462 235.282,230.462 236.032,229.713 236.032,223.839 236.259,223.612 236.442,223.612 236.879,223.176 236.879,223.045 237.814,222.11 237.814,222.005 238.319,221.5 239.976,221.5 v2(240.491,222.015)
I2C_SW_SDA: IC4.M17 IC13.4 R146.1 TP13.1 | length 90.4
  TopLayer w0.1: TP13.1@193.25,216.25 194.75,217.75 194.75,219.175 196.3,220.725 IC13.4@196.65,220.725 ; 200.5,221.95 201.696,221.95 v1(201.71,221.936)
  TopLayer w0.125: R146.1@199.52,220.97 200.5,221.95 ; IC4.M17@240.991,218.515 v2(241.491,218.015)
  TopLayer w0.15: IC13.4@196.65,220.725 196.68,220.755 199.285,220.755 R146.1@199.5,220.97 R146.1@199.52,220.97
  MidLayer2 w0.1: v1(201.71,221.936) 201.71,222.41 208.25,228.95 217.9,228.95 220.075,231.125 227.825,231.125 228.35,231.65 230.95,231.65 231.2,231.4 232.35,231.4 233.043,230.707 234.807,230.707 238.05,233.95 240.45,233.95 v1(241.5,235)
  SignalLayer1 w0.1: 239.925,227.9 239.551,227.526 238.471,227.526 238.048,227.103 238.048,226.828 237.701,226.481 237.426,226.481 237.109,226.165 237.109,222.776 237.481,222.404 237.503,222.404 237.876,222.031 237.876,221.831 238.276,221.431 239.15,221.431 239.156,221.425 239.612,221.425 240.013,221.024 240.013,219.706 240.15,219.569 240.356,219.569 240.901,219.024 240.901,218.468 v2@241.423,217.946 ; 239.926,227.9 239.926,229.181 241.526,230.781 242.611,230.781 242.986,231.156 245.434,231.156 245.74,230.85 246.3,230.85 246.844,231.395 246.844,233.012 245.401,234.456 242.044,234.456 v1(241.5,235)
LED_ERR: IC4.F15 R23.2 T12.1 | length 165.7
  TopLayer w0.125: IC4.F15@238.991,224.515 v2(239.491,225.015)
  MidLayer2 w0.125: v1(143.525,232.35) 144.338,233.163 178.687,233.163 181.325,230.525 195.075,230.525 195.8,231.25 207.9,231.25 208.15,231 216.35,231 219.375,234.025 236.9,234.025 238.475,235.6 241.554,235.6 242.25,234.904 242.25,234.425 241.263,233.438 238.338,233.438 237,232.1 237,225.996 237.496,225.5 239.006,225.5 v2(239.491,225.015)
  SignalLayer1 w0.125: v1(107.555,230.02) 107.925,229.65 107.925,226.775 108.9,225.8 111.6,225.8 112.462,226.662 115.587,226.662 116.525,227.6 122.475,227.6 123.109,228.234 124.441,228.234 125.625,227.05 140.704,227.05 142.158,228.504 142.158,229.133 143.525,230.5 v1(143.525,232.35)
  BottomLayer w0.125: T12.1@105.55,230 105.57,230.02 R23.2@106.8,230.02 v1(107.555,230.02)
LED_USER0: IC4.P14 R45.2 T3.1 | length 195
  TopLayer w0.125: IC4.P14@237.991,216.515 238.484,216.022 v2(238.484,215.96)
  SignalLayer1 w0.1: v1(118.731,165.733) 120.092,165.733 121.95,163.875 132.425,163.875 135.75,160.55 166.075,160.55 167.125,161.6 167.125,168.175 168.3,169.35 172.975,169.35 176.469,172.844 176.469,181.775 179.469,184.775 200.769,184.775 200.969,184.975 v2(201.719,184.975) ; v2(231.13,189.309) 231.138,189.309 231.736,189.908 233.161,189.908 235.069,188 238.841,188 240.666,189.825 242.744,189.825 243.344,190.425 243.344,191.675 243.919,192.25 245.169,192.25 246.019,193.1 v2(246.019,194.2)
  BottomLayer w0.1: R45.2@117.63,166.75 117.55,166.67 117.55,165.483 117.8,165.733 v1(118.731,165.733) ; v2(201.719,184.975) 202.691,184.975 204.866,187.15 205.087,187.15 205.237,187.3 226.344,187.3 228.894,189.85 230.56,189.85 231.101,189.309 v2(231.13,189.309) ; v2(238.484,215.96) 239.019,215.425 241.612,215.425 242.116,214.92 242.116,214.86 242.336,214.64 242.647,214.64 242.682,214.675 243.7,214.675 243.975,214.95 243.975,215.325 244.2,215.55 245.5,215.55 246.225,214.825 246.225,213.225 247.45,212 250.175,212 251.419,210.756 251.419,204.751 246.019,199.352 v2(246.019,194.2)
LED_USER1: IC4.R19 R227.2 T19.1 | length 162.6
  TopLayer w0.095: IC4.R19@242.991,215.515 243.446,215.06 v2(243.456,215.06)
  MidLayer2 w0.1: v1(110.05,197.95) 115.225,192.775 132.126,192.775 132.821,192.08 141.418,192.08 141.916,192.579 144.079,192.579 144.977,193.477 148.877,193.477 149.775,194.375 165.775,194.375 167.925,192.225 167.925,190.725 168.9,189.75 172.575,189.75 173.375,190.55 173.375,191.093 181.275,198.993 v1(181.275,200)
  SignalLayer1 w0.095: 231.665,205.746 232.496,205.746 235,208.25 240.2,208.25 241.1,209.15 241.925,209.15 242.25,209.475 242.55,209.475 242.9,209.825 242.9,210.05 243.425,210.575 243.55,210.575 244.05,211.075 244.05,212.983 243.533,213.5 242.35,213.5 242.1,213.75 242.1,215.225 242.35,215.475 243.041,215.475 v2(243.456,215.06)
  SignalLayer1 w0.1: v1(181.275,200) 181.3,199.975 185.315,199.975 188.555,203.215 208.895,203.215 209.507,203.827 224.442,203.827 226.115,205.5 228.919,205.5 229.166,205.746 231.665,205.746
  BottomLayer w0.1: T19.1@105.451,197.95 v1(110.05,197.95)
LED_USER2: IC4.R16 R19.2 T2.1 | length 173
  TopLayer w0.125: IC4.R16@239.991,215.515 240.461,215.045 v2(240.465,215.045)
  MidLayer2 w0.1: v1(107.05,212.375) 112.25,207.175 112.25,202.825 122,193.075 137.425,193.075 138.05,192.45 140.775,192.45 141.325,193 143.8,193 144.638,193.838 148.488,193.838 149.325,194.675 166.175,194.675 168.55,192.3 173.875,192.3 180.475,198.9 v1(180.475,199.725)
  SignalLayer1 w0.1: v1(180.475,199.725) 180.65,199.55 181.969,199.55 182.069,199.65 185.45,199.65 188.69,202.89 209.065,202.89 209.652,203.477 224.587,203.477 226.235,205.125 229.075,205.125 229.315,205.365 232.715,205.365 235.325,207.975 240.7,207.975 241.2,208.475 242.6,208.475 243.025,208.9 243.025,209.079 243.336,209.39 243.34,209.39 243.375,209.425 243.55,209.425 244.05,209.925 244.05,210.2 244.25,210.4 244.407,210.4 245,210.993 245,211.054 245.531,211.585 v2(246.756,211.585)
  BottomLayer w0.1: T2.1@105.503,213.062 105.703,213.062 106.39,212.375 v1(107.05,212.375) ; v2(240.465,215.045) 240.874,215.045 241.529,214.39 241.647,214.39 241.712,214.325 242.239,214.325 242.339,214.425 242.719,214.425 243.144,214 243.619,214 243.944,213.675 245.225,213.675 246.756,212.144 v2(246.756,211.585)
  BottomLayer w0.125: T2.1@105.503,213.062 105.503,214.073 R19.2@105.505,214.075
Main_DCXO_C_N: C189.1 OSC1.5 R39.2 | length 4.6
  TopLayer w0.095: C189.1@164,225.85 164,225.875 163.848,226.028 163.791,226.028 163.735,226.083 163.735,226.212 163.939,226.415 164.325,226.415 164.775,226.866 164.854,226.866 164.92,226.8 164.92,226.78 165.23,226.47 R39.2@165.25,226.47 166.655,226.47 OSC1.5@167.15,225.975
Main_DCXO_C_P: C188.1 R37.2 R40.2 | length 3.7
  TopLayer w0.095: C188.1@163.25,225.85 163.25,225.875 163.403,226.028 163.459,226.028 163.515,226.083 163.515,226.303 163.848,226.635 164.234,226.635 164.66,227.061 164.66,227.14 R40.2@164.27,227.53 ; R40.2@164.25,227.53 R40.2@164.27,227.53 ; R37.2@165.25,227.53 R40.2@164.27,227.53
Main_DCXO_N: C189.2 IC1.6 R224.2 | length 39.6
  TopLayer w0.095: v2(162.275,223.95) 162.318,223.95 162.458,224.09 163.128,224.09 163.735,224.697 163.735,224.917 163.791,224.973 163.848,224.973 164,225.125 C189.2@164,225.15
  SignalLayer1 w0.1: v2(134.575,217.128) 134.531,217.128 134.391,216.988 134.109,216.988 133.775,216.654 133.775,215.889 135.164,214.5 141.6,214.5 142.005,214.905 144.341,214.905 145.241,215.805 152.38,215.805 160.665,224.09 162.091,224.09 162.231,223.95 v2(162.275,223.95)
  BottomLayer w0.095: R224.2@133.4,217.23 133.502,217.128 v2(134.575,217.128) 134.618,217.128 134.758,216.988 135.101,216.988 135.217,216.988 135.357,217.128 IC1.6@135.65,217.128
Main_DCXO_OE: IC12.8 IC24.28 IC28.11 R244.1 R246.2 | length 93.2
  TopLayer w0.125: v1(162.475,209.399) 162.599,209.275 176.175,209.275 178.971,212.071 R246.2@178.97,213.5 R246.2@178.97,213.5 178.971,213.501 R244.1@178.97,215.5 R244.1@178.97,215.5 179.197,215.727 179.197,216.085 179.325,216.212 IC12.8@179.325,216.8
  SignalLayer1 w0.125: v1(124.575,173.975) 125.15,173.4 129.775,173.4 134.975,178.6 134.975,185.358 132.649,187.684 132.649,191.291 136.21,194.852 136.21,195.964 138.223,197.977 139.277,197.977 139.771,198.471 139.771,199.525 139.771,199.671 142.138,202.038 145.187,202.038 148.241,205.091 148.241,206.584 151.057,209.399 v1(162.475,209.399)
  BottomLayer w0.125: IC28.11@120.275,173.325 120.364,173.414 121.114,173.414 121.675,173.975 IC24.28@122.75,173.975 v1(124.575,173.975)
Main_DCXO_P: C188.2 IC1.5 | length 37.3
  TopLayer w0.095: v2(162.275,224.45) 162.318,224.45 162.458,224.31 163.037,224.31 163.515,224.788 163.515,224.917 163.459,224.973 163.403,224.973 163.25,225.125 C188.2@163.25,225.15
  SignalLayer1 w0.1: v2(134.575,216.628) 134.531,216.628 134.391,216.768 134.2,216.768 133.995,216.563 133.995,215.98 135.255,214.72 141.509,214.72 141.914,215.125 144.25,215.125 145.15,216.025 152.289,216.025 160.574,224.31 162.091,224.31 162.231,224.45 v2(162.275,224.45)
  BottomLayer w0.095: v2(134.575,216.628) 134.618,216.628 134.758,216.768 135.01,216.768 135.217,216.768 135.357,216.628 IC1.5@135.65,216.628
Main_DCXO_SCL: IC4.U7 OSC1.8 R35.1 TP22.1 | length 86
  TopLayer w0.1: OSC1.8@169.25,228.827 TP22.1@169.25,230.75 TP22.1@169.28,230.78 ; R35.1@171.7,230.78 TP22.1@169.28,230.78 ; v1(193.675,209.075) 185.9,216.85 185.9,220.675 184.875,221.7 184.875,223.925 183.675,225.125 183.675,228.275 178.75,233.2 171.7,233.2 TP22.1@169.28,230.78
  TopLayer w0.125: v2(230.491,213.015) IC4.U7@230.991,213.515
  SignalLayer1 w0.1: v1(193.675,209.075) 194,208.75 194.719,208.75 195.469,208 199.038,208 199.463,208.425 201.983,208.425 203.256,208.425 203.381,208.55 204.222,208.55 204.322,208.45 205.162,208.45 205.8,209.088 208.744,209.088 209.151,208.681 209.776,208.681 210.182,209.088 217.007,209.088 218.934,211.014 222.96,211.014 224.356,212.41 226.435,212.41 227.035,213.01 227.035,213.107 227.356,213.427 229.942,213.427 v2@230.423,212.946
Main_DCXO_SDA: IC4.N14 OSC1.7 R34.1 TP21.1 | length 108.1
  TopLayer w0.1: OSC1.7@169.25,223.122 169.25,223.245 169.85,223.845 169.85,227.775 170.1,228.025 170.1,229.386 170.964,230.25 172.15,230.25 172.606,230.706 172.676,230.706 R34.1@172.75,230.78 ; R34.1@172.99,231.02 R34.1@172.75,230.78 ; v1(194.25,206.75) 194.25,207.775 185.4,216.625 185.4,220.35 184.45,221.3 184.45,223.775 183.114,225.111 183.114,228.053 178.218,232.95 174.313,232.95 171.95,232.95 171,232 171,231.5 171.25,231.25 172.28,231.25 172.49,231.04 172.49,231.02 172.73,230.78 R34.1@172.75,230.78
  TopLayer w0.125: IC4.N14@237.991,217.515 238.53,216.976 v2(238.53,216.96) v2@238.519,216.971
  TopLayer w0.2: TP21.1@169.25,221.25 OSC1.7@169.25,223.122
  SignalLayer1 w0.1: v1(194.25,206.75) 194.25,206 194.8,205.45 202.175,205.45 202.215,205.49 207.585,205.49 208.373,206.277 223.427,206.277 225.725,208.575 226.582,208.575 226.834,208.827 227.347,208.827 227.55,209.031 229.896,209.031 230.34,209.475 231.482,209.475 232.125,210.118 232.125,210.4 233.279,211.554 236.528,211.554 237.394,212.419 237.678,212.419 238.076,212.816 238.076,215.7 238.04,215.736 238.04,216.046 238.076,216.081 238.076,216.506 v2@238.462,216.892
MGTAVCC: C57.2 C100.2 C123.2 C124.2 C125.2 C148.2 IC4.D6 IC4.D10 IC4.E8 IC4.F7 IC4.F9 L15.2 | length 10.7
  TopLayer w0.125: v2(229.491,227.015) IC4.D6@229.991,226.515 ; v2(230.491,225.015) IC4.F7@230.991,224.515 ; v2(231.491,226.015) IC4.E8@231.991,225.515 ; v2(233.455,226.986) 233.521,226.986 IC4.D10@233.991,226.515
  TopLayer w0.3: v2(232.48,225.061) 232.48,225.026 IC4.F9@232.991,224.515
  BottomLayer w0.2: v2(229.491,227.015) 229.491,226.878 C125.2@229.869,226.5 ; v2(230.491,225.015) 230.491,224.878 C123.2@230.869,224.5 ; v2(232.48,225.061) 232.48,224.939 232.869,224.55 C100.2@232.869,224.525 ; C124.2@232.869,226.5 232.976,226.5 233.455,226.979 v2(233.455,226.986)
  BottomLayer w0.3: L15.2@227.5,233.5 227.75,233.5 228.525,232.725 228.55,232.725 229.35,231.925 C148.2@229.35,231.875
  BottomLayer w0.5: C57.2@229.5,233.775 229.55,233.775 230.568,232.757 230.718,232.757 v3@230.75,232.725
  other v3: 231.525,232.075 230.825,232.7
MGTAVTT: C97.2 C101.2 C112.2 C113.2 C114.2 C115.2 C116.2 IC4.B5 IC4.B7 IC4.B9 IC4.B11 IC4.C4 IC4.C8 L18.2 R191.1 | length 10.3
  TopLayer w0.125: v2(227.491,228.015) IC4.C4@227.991,227.515 ; v2(228.48,229.036) 228.48,229.026 IC4.B5@228.991,228.515 ; v2(230.491,229.015) IC4.B7@230.991,228.515 ; v2(231.491,228.015) IC4.C8@231.991,227.515 ; v2(232.491,229.015) IC4.B9@232.991,228.515 ; v2(234.491,229.015) IC4.B11@234.991,228.515
  BottomLayer w0.2: v2(227.491,228.015) 227.491,228.197 C115.2@227.794,228.5 228.494,228.5 ; C116.2@230.909,228.482 231.376,228.015 v2(231.491,228.015) 231.491,227.984 231.869,227.606 C97.2@231.869,227.5 ; v2(232.491,229.015) 232.619,229.143 232.619,229.3 C112.2@232.844,229.525
  BottomLayer w0.5: 232.5,233 232.5,233.884 C101.2@232.596,233.98 232.548,234.028 232.548,235.452 L18.2@232.5,235.5
NetC3_2: C3.2 C300.1 IC7.10 IC7.11 IC7.12 IC7.13 IC27.4 IC27.5 L39.2 | length 13.6
  TopLayer w0.4: IC27.5@137.325,200.25 IC27.4@137.325,200.66
  TopLayer w0.5: 141.25,197.85 141.425,198.025 143.275,198.025 ; 141.25,198.375 141.975,198.375 C3.2@142.25,198.65 142.55,198.35 142.993,198.35 143.018,198.325 C300.1@145.525,198.325 ; C300.1@145.175,197.975 C300.1@145.525,198.325 ; C300.1@146.075,198.75 146.351,199.026 146.351,199.8 146.501,199.95 L39.2@146.85,199.95 ; 146.6,198.95 146.275,198.625 145.825,198.625 C300.1@145.525,198.325 ; 146.625,198.325 C300.1@145.525,198.325 ; 146.7,199.2 146.7,199.8 L39.2@146.85,199.95 ; 147.25,199.175 147.25,199.8 147.1,199.95 L39.2@147,199.95 L39.2@146.85,199.95
NetC9_1: C9.1 C12.2 IC3.1 IC3.2 L3.2 | length 7.2
  TopLayer w0.2: IC3.2@162.75,216.75 161.8,216.75 C12.2@161.5,217.05 161.7,217.25 IC3.1@162.75,217.25
  TopLayer w0.5: L3.2@158.75,216.05 158.75,216.95 159.1,217.3 159.375,217.3 C9.1@159.75,217.675 ; C9.1@159.75,217.95 C9.1@159.75,217.675 ; C12.2@161.5,217.05 160.65,217.05 160.4,217.3 160.125,217.3 C9.1@159.75,217.675
NetC13_1: C13.1 C15.2 IC11.1 IC11.2 L23.2 | length 6.4
  TopLayer w0.3: IC11.1@124,198.75 124,197.7 C15.2@124.2,197.5 124.5,197.8 IC11.2@124.5,198.75
  TopLayer w0.5: C15.2@124.2,197.5 124.2,195.9 C13.1@124.05,195.75 L23.2@125.95,195.75
NetC19_1: C19.1 IC3.7 R10.2 | length 3.7
  TopLayer w0.25: IC3.7@165.75,215.75 R10.2@167.28,215.75 167.28,214.5 167.78,214 C19.1@167.95,214
NetC20_2: C20.2 J1.1 | length 18
  BottomLayer w0.19: C20.2@146.35,210.25 146.8,210.25 ccw(c146.8,210.44) 146.99,210.44 146.99,210.565 cw(c147.18,210.565) 147.18,210.755 cw(c147.18,210.565) 147.37,210.565 147.37,210.25 147.37,209.935 ccw(c147.56,209.935) 147.56,209.745 ccw(c147.56,209.935) 147.75,209.935 147.75,210.25 147.75,210.395 cw(c147.94,210.395) 147.94,210.585 cw(c147.94,210.395) 148.13,210.395 148.13,210.25 148.13,209.935 ccw(c148.32,209.935) 148.32,209.745 ccw(c148.32,209.935) 148.51,209.935 148.51,210.25 148.51,210.778 cw(c148.7,210.778) 148.7,210.968 cw(c148.7,210.778) 148.89,210.778 148.89,210.44 ccw(c149.08,210.44) 149.08,210.25 149.25,210.25 149.675,210.25 150.125,210.7 150.125,210.89 150.125,211.08 cw(c150.315,211.08) 150.315,211.27 151.135,211.27 ccw(c151.135,211.46) 151.325,211.46 ccw(c151.135,211.46) 151.135,211.65 150.125,211.65 149.115,211.65 cw(c149.115,211.84) 148.925,211.84 cw(c149.115,211.84) 149.115,212.03 149.935,212.03 ccw(c149.935,212.22) 150.125,212.22 150.125,212.375 150.125,212.5 149.646,212.979 J1.1@146.541,212.979 J1.1@146.55,212.988
NetC21_2: C21.2 J2.1 | length 3.8
  BottomLayer w0.19: C21.2@149.375,221.25 149.496,221.371 150.05,221.371 150.158,221.371 cw(c150.158,221.149) 150.38,221.149 150.38,221.117 ccw(c150.602,221.117) 150.602,220.895 ccw(c150.602,221.117) 150.824,221.117 150.824,221.149 cw(c151.046,221.149) 151.046,221.371 J2.1@152.596,221.371
NetC22_2: C22.2 J3.1 | length 2.7
  BottomLayer w0.19: C22.2@155.987,229.763 J3.1@158.652,229.763 ; J3.1@158.652,229.365 J3.1@158.675,229.342
NetC23_2: C23.2 C24.2 C25.2 C26.2 IC2.5 IC2.10 IC2.32 L2.1 | length 10.8
  TopLayer w0.3: v2(125.603,210.339) 128.836,213.572 v1(129.598,213.572)
  BottomLayer w0.3: C23.2@121.1,211.101 121.1,212.017 C25.2@121,212.117 121.032,212.149 IC2.10@122.322,212.149 ; IC2.5@125.222,211.249 125.222,210.72 v2(125.603,210.339) ; IC2.32@128.122,214.149 C24.2@129.598,214.149 v1(129.598,213.572)
NetC27_2: C27.2 J4.1 | length 2.2
  BottomLayer w0.19: C27.2@144.331,229.744 J4.1@146.55,229.744